# KiCad board adatv2.kicad_pcb (continued)
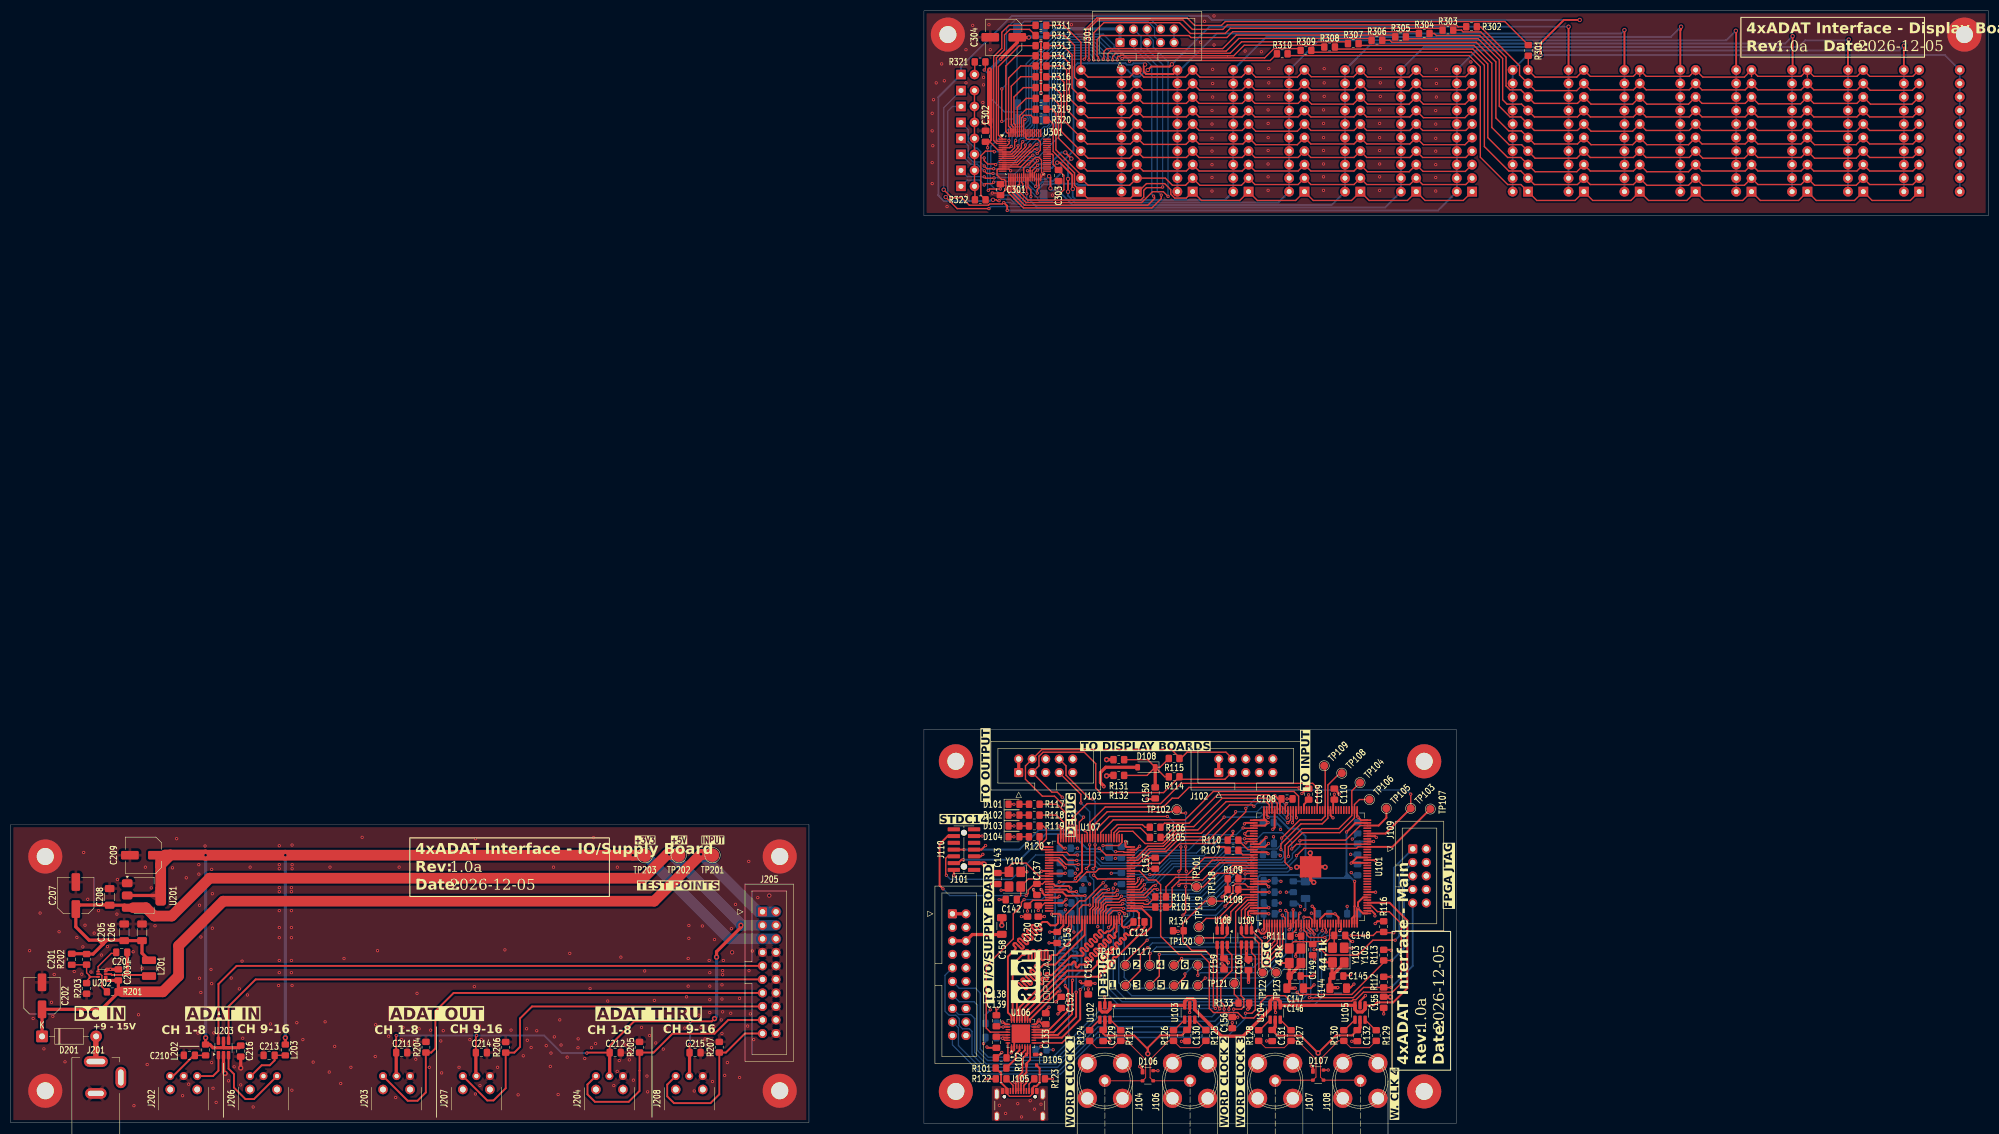
[diagram p0: board, top side]
## Routing (per net, layer and track width the routed paths; a pad name or vN(x,y) marks a point on that pad's centre or on a via; arc(x,y) is an arc through that point) (continued)
/Display board/LED16: length 96.1
  F.Cu (sig) w0.25: R317.2 196.14,194.55 197.41,193.28 197.41,186.31 BAR316.4 202.44,181.28 210.26,181.28 BAR315.4 212.8,181.42 220.9,181.42 BAR314.4 223.3,181.42 231.4,181.42 BAR313.4 233.8,181.42 241.9,181.42 BAR312.4 244.3,181.42 252.4,181.42 BAR311.4 254.8,181.42 262.9,181.42 BAR310.4 265.3,181.42 273.4,181.42 BAR309.4
/Display board/LED17: length 96.5
  F.Cu (sig) w0.25: R318.2 195.88,192.52 196.9,191.5 196.9,185.03 201.1,180.82 BAR316.3 202.3,178.88 210.4,178.88 BAR315.3 212.8,178.88 220.9,178.88 BAR314.3 223.3,178.88 231.4,178.88 BAR313.3 233.8,178.88 241.9,178.88 BAR312.3 244.3,178.88 252.4,178.88 BAR311.3 254.94,178.74 262.76,178.74 BAR310.3 265.38,178.8 273.32,178.8 BAR309.3
/Display board/LED18: length 97.1
  F.Cu (sig) w0.25: BAR309.2 273.4,176.34 265.3,176.34 BAR310.2 262.9,176.34 254.8,176.34 BAR311.2 252.4,176.34 244.3,176.34 BAR312.2 241.9,176.34 233.8,176.34 BAR313.2 231.26,176.2 223.44,176.2 BAR314.2 220.76,176.2 218.3,176.2 216.96,177.54 BAR315.2 210.26,176.2 202.44,176.2 BAR316.2 201.1,178.16 196.39,182.87 196.39,189.72 195.63,190.49 R319.2
/Display board/LED19: length 100.6
  F.Cu (sig) w0.25: R320.2 195.12,188.45 195.88,187.69 195.88,182.54 199.9,178.53 199.9,176.2 BAR316.1 202.3,173.8 210.44,173.8 211.6,174.96 BAR315.1 211.89,175 213.41,176.52 216.84,176.52 217.98,175.37 217.98,174.54 218.72,173.8 220.9,173.8 BAR314.1 223.76,173.34 230.94,173.34 BAR313.1 234.26,173.34 241.44,173.34 BAR312.1 244.76,173.34 251.94,173.34 BAR311.1 255.26,173.34 262.44,173.34 BAR310.1 265.76,173.34 272.94,173.34 BAR309.1
/Display board/LED20: length 2.4
  F.Cu (sig) w0.25: D301.2 181.15,197.05 R321.2
/Display board/LED21: length 20.6
  F.Cu (sig) w0.25: D302.2 D308.2 181.18,175.92 R322.2
/Display board/SW_LB: length 71.7
  F.Cu (sig) w0.25: v1(186.23,194.3) v1(186.23,188.2)
  B.Cu (sig) w0.25: SW302.1 186.11,174.35 184.07,176.39 184.07,178.07 183.97,178.17 183.97,179.43 184.17,179.63 184.17,183.5 189.1,188.43 SW302.1 187.05,188.65 186.6,188.2 v1(186.23,188.2) ; v1(186.23,194.3) 187.12,195.19 187.12,205.67 188.95,207.5 214.1,207.5 J301.8
/Display board/SW_SR: length 44.4
  B.Cu (sig) w0.25: SW301.1 SW301.1 190.45,207 213.66,207 214.93,205.72 214.93,204.13 J301.7
/FPGA and clock generators/CLK_44100: length 4.9
  F.Cu (sig) w0.25: 248.29,32.96 248.69,33.36 C148.1 249,35.59 U101.28
/FPGA and clock generators/CLK_48000: length 11.5
  F.Cu (sig) w0.25: U101.26 248,36.45 247.83,36.28 247.83,34.72 247.25,34.15 244.76,34.15 244.65,34.04 244.59,34.11 241.05,34.11 240.25,33.3 Y103.3
/FPGA and clock generators/DEBUG0: length 32
  F.Cu (sig) w0.25: v1(213.54,34.4) 209.47,30.34 TP110.1 ; U101.3 236.5,35.39 236.01,34.91 v1(235.63,34.91)
  B.Cu (sig) w0.25: v1(235.63,34.91) 235.63,34.78 235.53,34.89 214.02,34.89 v1(213.54,34.4)
/FPGA and clock generators/DEBUG1: length 35.8
  F.Cu (sig) w0.25: TP111.1 212.27,28.69 212.27,28.81 212.33,28.88 212.27,28.94 212.27,31.74 213.41,32.88 213.54,32.88 v1(213.66,33.01) ; U101.4 237,34.88 v1(235.89,33.77)
  B.Cu (sig) w0.25: v1(235.89,33.77) 235.76,33.9 214.55,33.9 v1(213.66,33.01)
/FPGA and clock generators/DEBUG2: length 29.8
  F.Cu (sig) w0.25: TP112.1 214.02,31.84 ; v1(236.84,33.58) 237.5,34.23 U101.5
  B.Cu (sig) w0.25: v1(214.11,31.93) 215.31,33.13 236.4,33.13 v1(236.84,33.58)
/FPGA and clock generators/DEBUG3: length 33.3
  F.Cu (sig) w0.25: U101.6 238,33.84 v1(236.01,31.86) ; v1(215.82,31.74) 215.82,27.67 TP113.1
  B.Cu (sig) w0.25: v1(236.01,31.86) 235.89,31.74 v1(215.82,31.74)
/FPGA and clock generators/DEBUG4: length 25.7
  F.Cu (sig) w0.25: v1(220.01,30.97) 218.74,29.7 TP114.1 ; v1(236.14,30.97) 238.5,33.33 U101.7
  B.Cu (sig) w0.25: v1(220.01,30.97) 220.11,30.87 236.04,30.87 v1(236.14,30.97)
/FPGA and clock generators/DEBUG5: length 28.3
  F.Cu (sig) w0.25: U101.8 239,32.81 236.4,30.21 v1(235.89,30.21) ; v1(220.65,28.05) 220.65,27.54 219,25.89 TP115.1
  B.Cu (sig) w0.25: v1(220.65,28.05) 221.92,29.32 233.6,29.32 234.49,30.21 v1(235.89,30.21)
/FPGA and clock generators/DEBUG6: length 28.4
  F.Cu (sig) w0.25: U101.9 239.5,38.54 v1(238.94,39.1) ; 223.12,29.7 223.06,29.64 v1(223.06,27.8)
  B.Cu (sig) w0.25: v1(223.06,27.8) 223.57,28.31 235.13,28.31 238.94,32.12 v1(238.94,39.1)
/FPGA and clock generators/DEBUG7: length 29.7
  F.Cu (sig) w0.25: U101.10 240,39.57 v1(239.57,39.99) ; v1(224.46,27.29) 223.12,25.96
  B.Cu (sig) w0.25: v1(239.57,39.99) 239.57,31.74 235.13,27.29 v1(224.46,27.29)
/IO board/IO_ADAT_IN1: length 114.3
  F.Cu (sig) w0.35: U203.6 39.04,26.16 42.46,29.58 J205.9
/IO board/IO_ADAT_IN2: length 108.9
  F.Cu (sig) w0.35: J205.11 46.02,27.04 40.94,21.96 U203.4
/IO board/IO_ADAT_OUT1: length 90.1
  F.Cu (sig) w0.35: J205.13 83.23,24.5 79.8,21.07 79.8,14.08 79.02,13.3 R204.1 78.01,13.28 78.01,5.81 76.45,4.25 74.6,4.25 69.97,8.88
/IO board/IO_ADAT_OUT2: length 72.6
  F.Cu (sig) w0.35: 84.97,8.88 89.55,4.3 90.73,4.3 93.02,6.59 R206.1 94.63,13.28 95.71,14.37 95.71,19.7 97.97,21.96 J205.15
/IO board/IO_ADAT_THRU1: length 48.2
  F.Cu (sig) w0.35: J205.17 134.83,19.42 132.26,16.84 124.35,16.84 120.81,13.3 R205.1 118.16,9.9 118.16,9.89 118.16,6.08 116.13,4.05 109.78,4.05 108.38,5.45 108.38,7.29 J204.1
/IO board/IO_ADAT_THRU2: length 32.9
  F.Cu (sig) w0.35: J205.19 137.97,16.88 134.4,13.3 R207.1 133.15,5.45 131.49,3.8 124.64,3.8 123.37,5.07 123.37,7.28 J208.1
/IO board/POWER_IN: length 4.7
  F.Cu (sig) w1: J201.1 16.01,16.28 D201.2
/IO board/SMPS_FEEDBACK: length 8.8
  F.Cu (sig) w0.25: 14.79,27.77 15.05,27.52 ; 14.79,27.77 14.27,28.29 R202.2 14.25,29.79 C201.2 ; 14.79,27.77 14.78,27.75 14.78,27.25 ; 15.05,27.52 U202.6 ; 15.05,27.52 14.78,27.25 ; 14.78,27.25 14.27,26.74 R203.1
/IO board/SMPS_POWER_OUT: length 14.3
  F.Cu (sig) w0.35: 22.4,27.88 25.78,27.88 L201.1 ; 22.4,27.88 21.89,27.88 ; 22.4,27.88 21.91,28.37 21.91,28.41 ; 21.89,27.88 21.91,27.9 21.91,28.52 21.91,28.41 ; 21.89,27.88 21.38,27.88 ; 21.91,28.41 21.38,27.88 ; 21.38,27.88 19.01,27.88 18.87,28.02 U202.2
  F.Cu (sig) w0.6: C204.1 21.91,28.37
/IO main/WORD_CLK_1_75_OHM: length 24.4
  F.Cu (sig) w0.16: J104.1 205.61,7.99 D106.2 213.26,8.57 213.26,11.95 209.71,15.5 R121.2 ; R124.2 204.03,14.21 207.04,14.21 208.58,15.75
/IO main/WORD_CLK_2_75_OHM: length 24.2
  F.Cu (sig) w0.16: R125.2 223.3,14.21 219.78,14.21 R126.2 217.62,15.5 214.1,11.98 214.1,8.57 D106.3 221.59,7.99 J106.1
/IO main/WORD_CLK_3_75_OHM: length 24.6
  F.Cu (sig) w0.16: R128.2 235.78,14.21 239.3,14.21 R127.2 241.84,15.5 245.26,12.07 245.26,8.69 D107.2 237.71,8.11 J107.1
/IO main/WORD_CLK_4_75_OHM: length 24.2
  F.Cu (sig) w0.16: J108.1 253.49,8.11 D107.3 246.1,8.69 246.1,12.1 249.49,15.5 R130.2 251.78,14.21 255.3,14.21 R129.2
/MCU and USB/MCO1: length 54
  F.Cu (sig) w0.25: v1(197.03,45.34) 200.32,45.34 202.2,47.23 202.23,47.2 203.85,47.2 204.48,47.83 210.41,47.83 U107.67 ; U106.28 187.35,17.13 184.07,17.13 183.31,17.89 183.31,29.58 188.39,34.66 188.39,39.36 189.91,40.88 189.91,41.51 v1(190.42,42.02)
  B.Cu (sig) w0.25: v1(190.42,42.02) 193.72,42.02 196.52,44.82 196.52,44.84 v1(197.03,45.34)
/MCU and USB/ULPI_CLK: length 38.9
  F.Cu (sig) w0.25: U107.30 198.81,37.07 v1(197.98,36.24)
  F.Cu (sig) w0.349: U106.14 192.26,17.6 195.14,17.6 198.71,21.17 198.71,25.1 198.16,25.65 v1(198.16,25.89)
  B.Cu (sig) w0.349: v1(197.98,36.24) 198.16,36.07 198.16,35.16 arc(198.09,34.99) 197.92,34.92 197.24,34.92 arc(197.07,34.85) 197,34.68 197,34.56 arc(197.07,34.39) 197.24,34.32 197.92,34.32 arc(198.09,34.25) 198.16,34.08 198.16,33.96 arc(198.09,33.79) 197.92,33.72 197.24,33.72 arc(197.07,33.65) 197,33.48 197,33.36 arc(197.07,33.19) 197.24,33.12 197.92,33.12 arc(198.09,33.05) 198.16,32.88 198.16,32.76 arc(198.09,32.59) 197.92,32.52 197.24,32.52 arc(197.07,32.45) 197,32.28 197,32.16 arc(197.07,31.99) 197.24,31.92 197.92,31.92 arc(198.09,31.85) 198.16,31.68 198.16,31.56 arc(198.09,31.39) 197.92,31.32 197.24,31.32 arc(197.07,31.25) 197,31.08 197,30.96 arc(197.07,30.79) 197.24,30.72 197.92,30.72 arc(198.09,30.65) 198.16,30.48 198.16,30.36 arc(198.09,30.19) 197.92,30.12 197.24,30.12 arc(197.07,30.05) 197,29.88 197,29.76 arc(197.07,29.59) 197.24,29.52 197.92,29.52 arc(198.09,29.45) 198.16,29.28 198.16,29.16 arc(198.09,28.99) 197.92,28.92 197.24,28.92 arc(197.07,28.85) 197,28.68 197,28.56 arc(197.07,28.39) 197.24,28.32 197.92,28.32 arc(198.09,28.25) 198.16,28.08 198.16,27.96 arc(198.09,27.79) 197.92,27.72 197.24,27.72 arc(197.07,27.65) 197,27.48 197,27.36 arc(197.07,27.19) 197.24,27.12 197.92,27.12 arc(198.09,27.05) 198.16,26.88 v1(198.16,25.89)
/MCU and USB/ULPI_D0: length 42.1
  F.Cu (sig) w0.349: U106.24 188.06,20.12 187.37,20.81 187.37,31.32 188.79,32.74 arc(188.86,32.9) 188.79,33.07 188.46,33.4 arc(188.39,33.57) 188.46,33.74 188.55,33.82 arc(188.72,33.89) 188.89,33.82 189.88,32.83 arc(190.05,32.76) 190.22,32.83 190.3,32.92 arc(190.37,33.09) 190.3,33.26 189.31,34.25 arc(189.24,34.42) 189.31,34.59 189.4,34.67 arc(189.57,34.74) 189.74,34.67 190.73,33.68 arc(190.9,33.61) 191.07,33.68 191.15,33.77 arc(191.22,33.94) 191.15,34.11 190.16,35.1 arc(190.09,35.27) 190.16,35.44 190.25,35.52 arc(190.42,35.59) 190.59,35.52 191.58,34.53 arc(191.75,34.46) 191.92,34.53 192,34.62 arc(192.07,34.79) 192,34.95 191.01,35.95 arc(190.94,36.12) 191.01,36.29 191.1,36.37 arc(191.27,36.44) 191.43,36.37 192.43,35.38 arc(192.6,35.31) 192.77,35.38 192.85,35.46 arc(192.92,35.63) 192.85,35.8 191.86,36.79 arc(191.79,36.96) 191.86,37.13 191.94,37.22 arc(192.11,37.29) 192.28,37.22 193.27,36.23 arc(193.44,36.16) 193.61,36.23 193.7,36.31 arc(193.77,36.48) 193.7,36.65 193.37,36.98 arc(193.3,37.15) 193.37,37.32 193.89,37.83 194.74,37.83 195.38,37.2 196.39,37.2 196.82,37.63 196.82,38.21 U107.26
/MCU and USB/ULPI_D1: length 42
  F.Cu (sig) w0.349: U107.35 201.31,36.4 196.52,31.61 195.7,31.61 arc(195.53,31.54) 195.46,31.37 195.46,30.87 arc(195.39,30.7) 195.22,30.63 195.1,30.63 arc(194.93,30.7) 194.86,30.87 194.86,32.34 arc(194.79,32.51) 194.62,32.58 194.5,32.58 arc(194.33,32.51) 194.26,32.34 194.26,30.87 arc(194.19,30.7) 194.02,30.63 193.9,30.63 arc(193.73,30.7) 193.66,30.87 193.66,32.34 arc(193.59,32.51) 193.42,32.58 193.3,32.58 arc(193.13,32.51) 193.06,32.34 193.06,30.87 arc(192.99,30.7) 192.82,30.63 192.7,30.63 arc(192.53,30.7) 192.46,30.87 192.46,32.34 arc(192.39,32.51) 192.22,32.58 192.1,32.58 arc(191.93,32.51) 191.86,32.34 191.86,30.87 arc(191.79,30.7) 191.62,30.63 191.5,30.63 arc(191.33,30.7) 191.26,30.87 191.26,32.34 arc(191.19,32.51) 191.02,32.58 190.9,32.58 arc(190.73,32.51) 190.66,32.34 190.66,31.85 arc(190.59,31.68) 190.42,31.61 190.04,31.61 188.26,29.83 188.26,20.71 188.54,20.43 188.54,19.31 U106.23
/MCU and USB/ULPI_D2: length 41.4
  F.Cu (sig) w0.349: U107.36 201.81,35.37 196.26,29.83 194.1,29.83 193.61,29.34 arc(193.44,29.27) 193.27,29.34 192.91,29.71 arc(192.74,29.78) 192.57,29.71 192.48,29.62 arc(192.41,29.45) 192.48,29.28 193.56,28.21 arc(193.63,28.04) 193.56,27.87 193.47,27.78 arc(193.3,27.71) 193.13,27.78 192.06,28.86 arc(191.89,28.93) 191.72,28.86 191.63,28.77 arc(191.56,28.6) 191.63,28.43 192.71,27.36 arc(192.78,27.19) 192.71,27.02 192.62,26.93 arc(192.45,26.86) 192.28,26.93 191.21,28.01 arc(191.04,28.08) 190.87,28.01 190.78,27.92 arc(190.71,27.75) 190.78,27.58 191.86,26.51 arc(191.93,26.34) 191.86,26.17 191.77,26.09 arc(191.6,26.02) 191.43,26.09 190.36,27.16 arc(190.19,27.23) 190.02,27.16 189.94,27.08 arc(189.86,26.91) 189.94,26.74 191.01,25.66 arc(191.08,25.49) 191.01,25.32 190.93,25.24 arc(190.76,25.17) 190.59,25.24 189.51,26.31 arc(189.34,26.38) 189.17,26.31 189.09,26.23 arc(189.02,26.06) 189.09,25.89 189.45,25.52 arc(189.52,25.35) 189.45,25.18 189.06,24.79 U106.22
/MCU and USB/ULPI_D3: length 42.3
  F.Cu (sig) w0.349: U106.21 189.56,21.8 193.17,25.4 arc(193.24,25.57) 193.17,25.74 192.84,26.06 arc(192.77,26.23) 192.84,26.4 192.93,26.49 arc(193.1,26.56) 193.27,26.49 193.59,26.16 arc(193.76,26.09) 193.93,26.16 194.02,26.25 arc(194.09,26.42) 194.02,26.59 193.69,26.91 arc(193.62,27.08) 193.69,27.25 193.78,27.34 arc(193.95,27.41) 194.12,27.34 194.44,27.01 arc(194.61,26.94) 194.78,27.01 194.86,27.1 arc(194.93,27.27) 194.86,27.44 194.5,27.8 arc(194.43,27.97) 194.5,28.14 194.59,28.22 arc(194.76,28.29) 194.93,28.22 195.29,27.86 arc(195.46,27.79) 195.63,27.86 199.25,31.48 201.43,31.48 201.57,31.62 arc(201.64,31.79) 201.57,31.96 201.06,32.47 arc(200.99,32.64) 201.06,32.81 201.14,32.9 arc(201.31,32.97) 201.48,32.9 201.99,32.39 arc(202.16,32.32) 202.33,32.39 202.42,32.47 arc(202.49,32.64) 202.42,32.81 201.91,33.32 arc(201.84,33.49) 201.91,33.66 201.99,33.75 arc(202.16,33.82) 202.33,33.75 202.84,33.24 arc(203.01,33.17) 203.18,33.24 203.27,33.32 arc(203.34,33.49) 203.27,33.66 202.76,34.17 arc(202.69,34.34) 202.76,34.51 202.84,34.59 arc(203.01,34.66) 203.18,34.59 203.69,34.09 arc(203.86,34.01) 204.03,34.09 204.11,34.17 arc(204.18,34.34) 204.11,34.51 203.6,35.02 arc(203.53,35.19) 203.6,35.36 203.69,35.44 arc(203.86,35.51) 204.03,35.44 204.54,34.93 arc(204.71,34.86) 204.88,34.93 204.96,35.02 arc(205.03,35.19) 204.96,35.36 204.45,35.87 arc(204.38,36.04) 204.45,36.21 204.54,36.29 arc(204.71,36.36) 204.88,36.29 205.39,35.78 arc(205.56,35.71) 205.73,35.78 206.01,36.07 206.56,36.07 207.31,36.81 U107.47
/MCU and USB/ULPI_D4: length 42
  F.Cu (sig) w0.349: U106.20 190.06,21.28 198.61,29.83 199.26,29.83 arc(199.43,29.9) 199.5,30.07 199.5,30.13 arc(199.57,30.3) 199.74,30.37 199.86,30.37 arc(200.03,30.3) 200.1,30.13 200.1,29.53 arc(200.17,29.36) 200.34,29.29 200.46,29.29 arc(200.63,29.36) 200.7,29.53 200.7,29.59 arc(200.77,29.76) 200.94,29.83 201.6,29.83 arc(201.77,29.9) 201.94,29.83 202.01,29.75 arc(202.18,29.68) 202.35,29.75 202.44,29.84 arc(202.51,30.01) 202.44,30.18 201.95,30.67 arc(201.87,30.84) 201.95,31.01 202.03,31.1 arc(202.2,31.17) 202.37,31.1 202.86,30.6 arc(203.03,30.53) 203.2,30.6 203.29,30.69 arc(203.36,30.86) 203.29,31.03 202.79,31.52 arc(202.72,31.69) 202.79,31.86 202.88,31.94 arc(203.05,32.01) 203.22,31.94 203.71,31.45 arc(203.88,31.38) 204.05,31.45 204.14,31.54 arc(204.21,31.71) 204.14,31.88 203.64,32.37 arc(203.57,32.54) 203.64,32.71 203.73,32.79 arc(203.9,32.86) 204.07,32.79 204.56,32.3 arc(204.73,32.23) 204.9,32.3 204.98,32.38 arc(205.05,32.55) 204.98,32.72 204.49,33.22 arc(204.42,33.39) 204.49,33.56 204.58,33.64 arc(204.75,33.71) 204.92,33.64 205.41,33.15 arc(205.58,33.08) 205.75,33.15 205.83,33.23 arc(205.9,33.4) 205.83,33.57 205.34,34.07 arc(205.27,34.24) 205.34,34.41 205.42,34.49 arc(205.59,34.56) 205.76,34.49 206.26,34 arc(206.43,33.93) 206.6,34 206.68,34.08 arc(206.75,34.25) 206.68,34.42 206.19,34.91 arc(206.12,35.08) 206.19,35.25 206.27,35.34 arc(206.44,35.41) 206.61,35.34 207.11,34.85 arc(207.28,34.77) 207.45,34.85 207.53,34.93 arc(207.6,35.1) 207.53,35.27 207.45,35.35 arc(207.38,35.52) 207.45,35.69 207.81,36.04 U107.48
/MCU and USB/ULPI_D5: length 42.4
  F.Cu (sig) w0.349: U106.19 190.56,20.7 198.55,28.69 203,28.69 204.15,29.85 arc(204.21,29.99) 204.15,30.13 arc(204.09,30.27) 204.15,30.41 204.3,30.55 arc(204.44,30.61) 204.58,30.55 204.86,30.27 arc(205,30.21) 205.14,30.27 205.28,30.41 arc(205.34,30.55) 205.28,30.69 205,30.98 arc(204.94,31.12) 205,31.26 205.14,31.4 arc(205.28,31.46) 205.43,31.4 205.71,31.12 arc(205.85,31.06) 205.99,31.12 206.13,31.26 arc(206.19,31.4) 206.13,31.54 205.85,31.83 arc(205.79,31.97) 205.85,32.11 205.99,32.25 arc(206.13,32.31) 206.27,32.25 206.56,31.97 arc(206.7,31.91) 206.84,31.97 206.98,32.11 arc(207.04,32.25) 206.98,32.39 206.7,32.67 arc(206.64,32.82) 206.7,32.96 206.84,33.1 arc(206.98,33.16) 207.12,33.1 207.41,32.82 arc(207.55,32.76) 207.69,32.82 207.83,32.96 arc(207.89,33.1) 207.83,33.24 207.55,33.52 arc(207.49,33.66) 207.55,33.81 207.69,33.95 arc(207.83,34.01) 207.97,33.95 208.25,33.66 arc(208.4,33.61) 208.54,33.66 208.68,33.81 arc(208.74,33.95) 208.68,34.09 208.4,34.37 arc(208.34,34.51) 208.4,34.65 208.54,34.8 arc(208.68,34.85) 208.82,34.8 209.1,34.51 arc(209.24,34.45) 209.38,34.51 209.53,34.65 arc(209.59,34.8) 209.53,34.94 209.24,35.22 arc(209.19,35.36) 209.24,35.5 209.39,35.64 arc(209.53,35.7) 209.67,35.64 209.95,35.36 arc(210.09,35.3) 210.23,35.36 210.38,35.5 arc(210.43,35.64) 210.38,35.79 arc(210.32,35.93) 210.38,36.07 210.74,36.43 211.5,36.43 212.01,36.94 212.01,39.48 211.59,39.91 U107.51
/MCU and USB/ULPI_D6: length 42
  F.Cu (sig) w0.349: U107.52 212.49,40.41 214.3,38.59 214.3,36.86 212.89,35.46 212.05,35.46 207.81,31.22 arc(207.67,31.16) 207.54,31.22 arc(207.4,31.28) 207.26,31.22 207.11,31.07 arc(207.05,30.93) 207.11,30.79 207.39,30.52 arc(207.44,30.38) 207.39,30.24 207.24,30.09 arc(207.1,30.04) 206.96,30.09 206.69,30.37 arc(206.55,30.43) 206.41,30.37 206.26,30.22 arc(206.21,30.08) 206.26,29.95 206.54,29.67 arc(206.6,29.53) 206.54,29.39 206.39,29.25 arc(206.25,29.19) 206.11,29.25 205.84,29.52 arc(205.7,29.58) 205.56,29.52 205.41,29.37 arc(205.36,29.24) 205.41,29.1 205.69,28.82 arc(205.75,28.68) 205.69,28.54 205.54,28.4 arc(205.4,28.34) 205.27,28.4 204.99,28.67 arc(204.85,28.73) 204.71,28.67 204.57,28.53 arc(204.51,28.39) 204.57,28.25 204.84,27.97 arc(204.9,27.84) 204.84,27.7 204.69,27.54 arc(204.55,27.49) 204.41,27.54 arc(204.28,27.6) 204.14,27.54 198.55,27.54 191.06,20.06 U106.18
/MCU and USB/ULPI_D7: length 40
  F.Cu (sig) w0.349: v1(200.06,45.97) 200.06,46.04 201.31,47.29 U107.91 ; U106.17 191.56,19.54 196.36,24.34 196.36,24.34 196.69,24.67 196.69,24.67 196.9,24.88 v1(197.15,24.88)
  B.Cu (sig) w0.349: v1(200.06,45.97) 200.06,45.82 199.57,45.32 198.17,45.32 196.26,43.42 196.26,26.28 197.15,25.39 v1(197.15,24.88)
/MCU and USB/ULPI_DIR: length 39
  F.Cu (sig) w0.349: v1(200.2,24.62) 200.2,20.05 196.75,16.6 U106.12 ; U107.17 198.37,43.91 198.72,43.55 198.86,43.55 198.9,43.51 200.21,43.51 v1(200.25,43.55)
  B.Cu (sig) w0.349: v1(200.2,24.62) 200.2,27.8 201.22,28.81 201.22,42.4 200.25,43.38 v1(200.25,43.55)
/MCU and USB/ULPI_NXT: length 40.9
  F.Cu (sig) w0.349: v1(201.85,42.78) 201.83,42.76 198.32,42.76 197.68,43.41 U107.18 ; U106.11 197.52,16.1 200.96,19.54 v1(200.96,25.13)
  B.Cu (sig) w0.349: v1(200.96,25.13) 201.98,26.15 201.98,42.66 v1(201.85,42.78)
/MCU and USB/ULPI_STP: length 40.6
  F.Cu (sig) w0.349: U107.15 196,44.91 196.34,44.56 198.8,44.56 v1(199.18,44.18) ; U106.13 195.98,17.1 199.44,20.56 199.44,26.78 v1(199.53,26.87)
  B.Cu (sig) w0.349: v1(199.18,44.18) 199.18,43.48 200.46,42.21 200.46,33.13 arc(200.38,32.96) 200.22,32.89 199.74,32.89 arc(199.57,32.82) 199.5,32.65 199.5,32.53 arc(199.57,32.36) 199.74,32.29 200.22,32.29 arc(200.38,32.22) 200.46,32.05 200.46,31.93 arc(200.38,31.76) 200.22,31.69 199.74,31.69 arc(199.57,31.62) 199.5,31.45 199.5,31.33 arc(199.57,31.16) 199.74,31.09 200.22,31.09 arc(200.38,31.02) 200.46,30.85 200.46,30.59 199.53,29.66 v1(199.53,26.87)
/MCU and USB/USB_RESET: length 29.1
  F.Cu (sig) w0.25: U107.31 199.31,36.53 v1(198.83,36.05) ; U106.9 197.54,15.1 v1(198.8,16.37)
  B.Cu (sig) w0.25: v1(198.83,36.05) 198.8,36.03 v1(198.8,16.37)
ADAT_IN1: length 99.1
  F.Cu (sig) w0.25: U101.139 232.37,41.94 230.17,39.73 230.17,26.53 TP121.1 229.92,24.24 230.71,23.45 R133.2 229.67,22.59 228.9,21.83 v1(228.9,21.45)
  B.Cu (sig) w0.25: J101.9 175.56,27.8 175.56,21.07 176.32,20.31 177.59,20.31 178.23,19.67 178.23,18.4 178.87,17.77 180.13,17.77 180.65,17.25 180.65,12.94 183.06,10.53 196.71,10.53 204.33,18.15 226.36,18.15 228.9,20.69 v1(228.9,21.45)
ADAT_IN1_USER0: length 42
  F.Cu (sig) w0.25: v1(200.46,50.41) 198.93,50.41 198.43,50.91 U107.3 ; v1(231.57,55.49) 231.62,55.44 U101.112
  B.Cu (sig) w0.25: v1(231.57,55.49) 230.3,54.22 224.2,54.22 221.28,51.29 212.01,51.29 209.6,48.88 205.12,48.88 203.6,50.41 v1(200.46,50.41)
ADAT_IN1_USER1: length 41.4
  F.Cu (sig) w0.25: U107.4 197.66,50.41 198.68,49.39 v1(200.33,49.39) ; v1(231.82,53.45) 232.71,53.45 232.73,53.44 U101.116
  B.Cu (sig) w0.25: v1(200.33,49.39) 203.76,49.39 204.77,48.37 210.38,48.37 212.79,50.79 222.81,50.79 225.38,53.36 230.97,53.36 231.06,53.45 v1(231.82,53.45)
ADAT_IN1_USER2: length 41.4
  F.Cu (sig) w0.25: v1(232.08,52.69) 232.32,52.94 U101.117 ; U107.5 197.02,49.91 198.3,48.63 v1(200.58,48.63)
  B.Cu (sig) w0.25: v1(200.58,48.63) 203.5,48.63 204.25,47.88 211.14,47.88 213.54,50.28 224.2,50.28 226.62,52.69 v1(232.08,52.69)
ADAT_IN1_USER3: length 84.5
  F.Cu (sig) w0.25: v1(247.19,35.93) 247.19,36.44 247,36.64 U101.24 ; v1(206.3,43.93) 204.9,43.93 203.38,42.4 203.38,40.75 202.81,40.18 U107.38
  B.Cu (sig) w0.25: 247.12,35.86 v1(247.19,35.93) 247.06,35.93 246.3,35.16 246.3,23.61 244.9,22.21 208.2,22.21 205.28,25.13 205.28,42.91 v1(206.3,43.93)
ADAT_IN2: length 102.7
  F.Cu (sig) w0.25: U101.134 232.47,44.44 231.92,44.98 230.06,44.98 229.67,44.59 229.67,43.32 228.09,41.74 224.43,41.74 220.23,37.55 220.23,34.18 221.92,32.5 224.46,32.5 225.98,30.97 225.98,21.96 v1(226.36,21.58)
  B.Cu (sig) w0.25: J101.11 178.23,25.39 181.28,25.39 182.17,24.5 182.17,13.96 183.69,12.43 195.82,12.43 204.96,21.58 v1(226.36,21.58)
ADAT_IN2_USER0: length 37.5
  F.Cu (sig) w0.25: v1(228.78,47.61) 229.6,48.44 U101.126 ; v1(207.95,43.8) 207.44,43.29 205.15,43.29 203.9,42.04 203.9,40.64 203.31,40.05 U107.39
  B.Cu (sig) w0.25: v1(228.78,47.61) 228.65,47.48 228.65,47.36 223.82,42.53 214.8,42.53 214.04,43.29 210.49,43.29 210.14,43.64 208.14,43.64 208.13,43.62 v1(207.95,43.8)
ADAT_IN2_USER1: length 36.8
  F.Cu (sig) w0.25: v1(207.95,42.91) 207.69,42.66 205.28,42.66 204.39,41.77 204.39,40.63 204.28,40.51 204.28,40.48 203.81,40.01 U107.40 ; v1(229.67,47.61) 229.99,47.94 U101.127
  B.Cu (sig) w0.25: v1(207.95,42.91) 208.3,43.26 209.63,43.26 210.36,42.53 213.76,42.53 214.39,41.9 224.2,41.9 229.67,47.36 v1(229.67,47.61)
ADAT_IN2_USER2: length 36.3
  F.Cu (sig) w0.25: U101.128 233.56,47.46 231.5,47.46 v1(231.17,47.13) ; U107.41 204.31,39.9 204.9,40.5 204.9,41.39 205.66,42.15 208.2,42.15 v1(208.71,42.66)
  B.Cu (sig) w0.25: v1(208.71,42.66) 209.6,42.66 211.5,40.75 225.01,40.75 227.03,42.77 227.03,42.78 227.38,43.14 227.39,43.14 231.17,46.91 v1(231.17,47.13)
ADAT_IN2_USER3: length 36
  F.Cu (sig) w0.25: U101.129 232.04,46.94 v1(231.95,46.85) ; U107.42 204.81,39.77 205.28,40.25 205.28,41.01 205.79,41.51 208.33,41.51 208.74,41.93 209.12,41.93 v1(209.22,42.02)
  B.Cu (sig) w0.25: v1(209.22,42.02) 211.12,40.12 226.36,40.12 231.95,45.71 v1(231.95,46.85)
ADAT_OUT1: length 15.8
  F.Cu (sig) w0.25: 226.36,38.49 226.7,38.16 226.7,38.14 ; 226.36,38.49 224.64,38.49 223.26,37.12 TP119.1 ; 226.36,38.49 226.87,38.49 ; U101.137 231.31,42.94 226.87,38.49 ; U108.3 226.7,38.14 ; 226.7,38.14 226.7,38.32 226.87,38.49
ADAT_OUT1_DRIVEN: length 76.6
  F.Cu (sig) w0.25: v1(227.19,21.51) 226.97,21.73 226.97,21.83 226.62,22.18 226.7,22.26 U108.4
  B.Cu (sig) w0.25: v1(227.19,21.51) 225.73,20.05 204.39,20.05 196.14,11.8 183.56,11.8 181.66,13.7 181.66,22.21 181.02,22.85 178.23,22.85 J101.13
ADAT_OUT1_USER0: length 67.9
  F.Cu (sig) w0.25: U101.14 242,39.24 v1(242.24,39.48) ; v1(208.96,41.26) 208.71,41.01 206.04,41.01 205.79,40.75 205.79,40.12 205.31,39.63 U107.43
  B.Cu (sig) w0.25: v1(208.96,41.26) 209.34,41.26 211,39.61 211,38.85 209.22,37.07 209.22,27.42 211.25,25.39 235.63,25.39 240.84,30.59 240.84,37.32 242.11,38.59 242.11,39.36 v1(242.24,39.48)
ADAT_OUT1_USER1: length 73.3
  F.Cu (sig) w0.25: v1(243,38.72) 244.09,38.72 244.5,38.31 U101.19 ; U107.44 205.81,39.5 206.81,40.5 208.96,40.5 v1(209.09,40.37)
  B.Cu (sig) w0.25: v1(243,38.72) 242.87,38.59 242.87,36.7 243.01,36.57 243.01,36.06 242.87,35.93 242.87,24.37 242.49,23.99 210.62,23.99 208.2,26.4 208.2,37.07 210.23,39.1 210.23,39.61 209.47,40.37 v1(209.09,40.37)
ADAT_OUT1_USER2: length 72
  F.Cu (sig) w0.25: U101.21 245.5,36.39 v1(245.41,36.31) ; v1(209.34,39.36) 208.94,39.77 208.84,39.77 208.62,39.99 208.33,39.99 208.33,39.99 207.19,39.99 206.31,39.11 U107.45
  B.Cu (sig) w0.25: v1(209.34,39.36) 209.34,39.23 207.19,37.07 207.19,25.67 209.5,23.35 242.75,23.35 243.51,24.12 243.51,36.02 243.89,36.41 245.31,36.41 v1(245.41,36.31)
ADAT_OUT1_USER3: length 67.6
  F.Cu (sig) w0.25: v1(206.3,36.82) 206.81,37.32 U107.46 ; v1(246.43,36.18) 246.5,36.25 U101.23
  B.Cu (sig) w0.25: v1(246.43,36.18) 245.67,35.42 245.67,24.37 244.14,22.85 208.84,22.85 206.3,25.39 v1(206.3,36.82)
ADAT_OUT2: length 15.8
  F.Cu (sig) w0.25: TP120.1 223.31,34.53 223.64,34.86 228.02,34.86 228.6,35.43 U108.1 228.6,37.53 229.26,38.19 229.26,39.71 231.98,42.44 U101.138
ADAT_OUT2_DRIVEN: length 77.2
  F.Cu (sig) w0.25: v1(228.01,21.45) 228.01,22.21 227.38,22.85 227.38,26.61 229.46,28.69 229.46,31.63 228.6,32.5 U108.6
  B.Cu (sig) w0.25: v1(228.01,21.45) 228.01,20.94 226.24,19.16 204.39,19.16 196.39,11.16 183.31,11.16 181.15,13.32 181.15,19.67 180.39,20.43 178.1,20.43 J101.15
ADAT_OUT2_USER0: length 36.3
  F.Cu (sig) w0.25: v1(239.65,60) 239.65,59.99 239.5,59.84 U101.100 ; v1(232.08,59.17) 232.08,58.53 226.11,52.56 219.66,52.56 215.98,48.88 213.92,48.88 213.44,48.41 U107.68
  B.Cu (sig) w0.25: v1(239.65,60) 239.33,60 238.39,60.95 233.86,60.95 v1(232.08,59.17)
ADAT_OUT2_USER1: length 36.3
  F.Cu (sig) w0.25: U101.99 240,57.85 239.87,57.73 v1(239.87,57.36) ; U107.69 212.04,48.91 214.17,51.04 217.09,51.04 219.25,53.2 225.09,53.2 230.17,58.28 v1(230.17,58.53)
  B.Cu (sig) w0.25: v1(239.87,57.36) 237.8,59.42 235.06,59.42 234.17,58.53 v1(230.17,58.53)
